# Altium PCB Copy of ToucanEyePCB.PcbDoc (part 3 of 3) (continued)
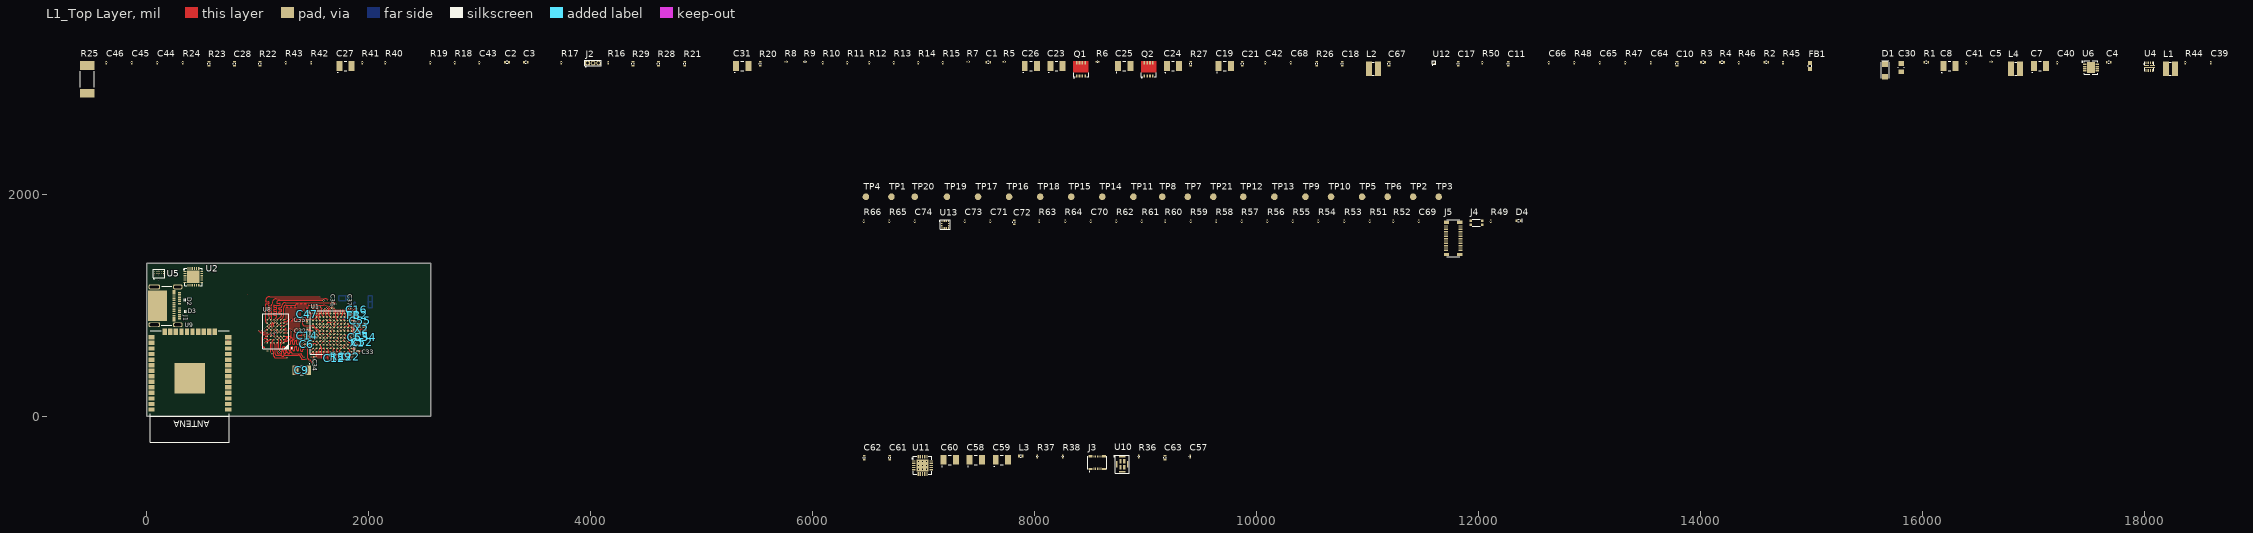
[diagram p0: L1_Top Layer view]
## Nets (pads, with @x,y where several pads share a name; then routed paths per layer and width w, separated by ;. In a path a pad name is that pad's centre, name@x,y a point inside that pad or via, vN(x,y) a via of type N, cw(c..) or ccw(c..) an arc to the next point about the centre after c; other vN are vias at no path point) (continued)
PSRAM_D11: U1.M10 U8.D2 | length 987.2
  L1_Top Layer w8: U8.D2@1206.66,747.96 1206.66,748.66 v3(1221.1,763.1) ; U1.M10@1562.31,924.47 1562.31,946.55 cw(c1563.65,946.55) 1562.7,947.5 1562.8,947.6 v3(1562.8,953.2)
  L3_Signa1 w6: v3@1221.1,763.79 ccw(c1199.59,763.79) 1214.8,779 cw(c1232.18,796.38) 1207.6,796.38 1207.6,842.6 1207.6,850.6 1207.6,861 cw(c1213.2,861) 1213.2,866.6 1227.9,866.6 ccw(c1227.9,872.2) 1233.5,872.2 1233.5,877 ccw(c1227.9,877) 1227.9,882.6 1207.6,882.6 1192.8,882.6 cw(c1192.8,888.2) 1187.2,888.2 1187.2,893 cw(c1192.8,893) 1192.8,898.6 1207.6,898.6 1249.27,898.6 ccw(c1249.27,904.2) 1254.87,904.2 1254.87,909 ccw(c1249.27,909) 1249.27,914.6 1211.7,914.6 cw(c1211.7,918.7) 1207.6,918.7 1207.6,918.8 cw(c1242,918.8) 1242,953.2 ; 1246.8,953.2 1242,953.2 ; v3(1562.8,953.2) 1477.4,953.2 1367.6,953.2 cw(c1367.6,958.8) 1362,958.8 1362,967.63 ccw(c1356.4,967.63) 1356.4,973.23 1351.6,973.23 ccw(c1351.6,967.63) 1346,967.63 1346,953.2 cw(c1340.4,953.2) 1340.4,947.6 1335.6,947.6 cw(c1335.6,953.2) 1330,953.2 1330,967.63 ccw(c1324.4,967.63) 1324.4,973.23 1319.6,973.23 ccw(c1319.6,967.63) 1314,967.63 1314,953.2 cw(c1308.4,953.2) 1308.4,947.6 1303.6,947.6 cw(c1303.6,953.2) 1298,953.2 1298,967.63 ccw(c1292.4,967.63) 1292.4,973.23 1287.6,973.23 ccw(c1287.6,967.63) 1282,967.63 1282,953.2 1282,916.06 cw(c1276.4,916.06) 1276.4,910.46 1271.6,910.46 cw(c1271.6,916.06) 1266,916.06 1266,953.2 1266,967.63 ccw(c1260.4,967.63) 1260.4,973.23 1255.6,973.23 ccw(c1255.6,967.63) 1250,967.63 1250,958.8 cw(c1244.4,958.8) 1244.4,953.2 1242,953.2
  L3_Signa1 w8: v3(1221.1,763.1) v3@1221.1,763.79
PSRAM_D12: U1.K8 U8.E2 | length 983.1
  L1_Top Layer w6: U1.K8@1625.22,861.48 U1.K8@1625.3,861.48
  L1_Top Layer w8: U8.E2@1206.66,777.48 1222.6,793.43 v3(1222.6,794.3) ; v3(1609.7,877) U1.K8@1625.22,861.48
  L3_Signa1 w6: v3@1221.5,791.6 ccw(c1174.91,838.19) 1240.8,838.19 1240.8,858.4 cw(c1283.2,858.4) 1283.2,900.8 1283.9,900.8 1286.3,900.8 ccw(c1286.3,906.4) 1291.9,906.4 1291.9,932.4 cw(c1297.5,932.4) 1297.5,938 1302.3,938 cw(c1302.3,932.4) 1307.9,932.4 1307.9,906.4 ccw(c1313.5,906.4) 1313.5,900.8 1318.3,900.8 ccw(c1318.3,906.4) 1323.9,906.4 1323.9,932.4 cw(c1329.5,932.4) 1329.5,938 1334.3,938 cw(c1334.3,932.4) 1339.9,932.4 1339.9,906.4 ccw(c1345.5,906.4) 1345.5,900.8 1350.3,900.8 ccw(c1350.3,906.4) 1355.9,906.4 1355.9,932.4 cw(c1361.5,932.4) 1361.5,938 1366.3,938 cw(c1366.3,932.4) 1371.9,932.4 1371.9,906.3 ccw(c1377.4,906.3) 1377.4,900.8 1380.6,900.8 ccw(c1380.6,914) 1393.8,914 cw(c1407.4,914) 1407.4,927.6 1434.5,927.6 cw(c1434.5,915.3) 1446.8,915.3 ccw(c1455.2,915.3) 1455.2,906.9 1456.3,906.9 1461.5,906.9 ccw(c1461.5,912.5) 1467.1,912.5 1467.1,919.52 cw(c1472.7,919.52) 1472.7,925.12 1477.5,925.12 cw(c1477.5,919.52) 1483.1,919.52 1483.1,906.9 1483.1,901.68 ccw(c1488.7,901.68) 1488.7,896.08 1493.5,896.08 ccw(c1493.5,901.68) 1499.1,901.68 1499.1,906.9 1499.1,919.52 cw(c1504.7,919.52) 1504.7,925.12 1509.5,925.12 cw(c1509.5,919.52) 1515.1,919.52 1515.1,906.9 1515.1,901.68 ccw(c1520.7,901.68) 1520.7,896.08 1525.5,896.08 ccw(c1525.5,901.68) 1531.1,901.68 1531.1,906.9 1531.1,919.52 cw(c1536.7,919.52) 1536.7,925.12 1541.5,925.12 cw(c1541.5,919.52) 1547.1,919.52 1547.1,906.9 1547.1,901.68 ccw(c1552.7,901.68) 1552.7,896.08 1557.5,896.08 ccw(c1557.5,901.68) 1563.1,901.68 1563.1,906.9 1563.1,919.52 cw(c1568.7,919.52) 1568.7,925.12 1573.5,925.12 cw(c1573.5,919.52) 1579.1,919.52 1579.1,906.9 1579.1,884.38 ccw(c1584.7,884.38) 1584.7,878.78 1589.5,878.78 ccw(c1589.5,884.38) 1595.1,884.38 1595.1,901.3 cw(c1600.7,901.3) 1600.7,906.9 1603.1,906.9 cw(c1603.1,900.1) 1609.9,900.1 1609.9,877 v3(1609.7,877)
PSRAM_D13: U1.H10 U8.F2 | length 969.5
  L1_Top Layer w6: U8.F2@1206.19,807.01 U8.F2@1206.66,807.01
  L1_Top Layer w8: U8.F2@1206.66,807.01 1207.01,807.01 v4(1222.2,822.2) ; U1.H10@1562.31,798.49 1578.22,814.4 v4(1579.8,814.4)
  L4_PWR/Signal2 w6: v4(1222.2,822.2) 1230.8,822.2 1235.33,822.2 ccw(c1235.33,825.67) 1238.8,825.67 cw(c1244.4,825.67) 1244.4,831.27 1249.2,831.27 cw(c1249.2,825.67) 1254.8,825.67 1254.8,822.2 1254.8,815.09 ccw(c1260.4,815.09) 1260.4,809.49 1265.2,809.49 ccw(c1265.2,815.09) 1270.8,815.09 1270.8,816.6 cw(c1276.4,816.6) 1276.4,822.2 1281.2,822.2 cw(c1281.2,816.6) 1286.8,816.6 1286.8,790.74 ccw(c1292.4,790.74) 1292.4,785.14 1297.2,785.14 ccw(c1297.2,790.74) 1302.8,790.74 1302.8,816.6 cw(c1308.4,816.6) 1308.4,822.2 1313.2,822.2 cw(c1313.2,816.6) 1318.8,816.6 1318.8,778.66 ccw(c1324.4,778.66) 1324.4,773.06 1329.2,773.06 ccw(c1329.2,778.66) 1334.8,778.66 1334.8,816.6 cw(c1340.4,816.6) 1340.4,822.2 1345.2,822.2 cw(c1345.2,816.6) 1350.8,816.6 1350.8,778.66 ccw(c1356.4,778.66) 1356.4,773.06 1361.2,773.06 ccw(c1361.2,778.66) 1366.8,778.66 1366.8,816.6 cw(c1372.4,816.6) 1372.4,822.2 1377.2,822.2 cw(c1377.2,816.6) 1382.8,816.6 1382.8,778.66 ccw(c1388.4,778.66) 1388.4,773.06 1393.2,773.06 ccw(c1393.2,778.66) 1398.8,778.66 1398.8,816.6 cw(c1404.4,816.6) 1404.4,822.2 1409.2,822.2 cw(c1409.2,816.6) 1414.8,816.6 1414.8,778.66 ccw(c1420.4,778.66) 1420.4,773.06 1425.2,773.06 ccw(c1425.2,778.66) 1430.8,778.66 1430.8,816.6 cw(c1436.4,816.6) 1436.4,822.2 1441.2,822.2 cw(c1441.2,816.6) 1446.8,816.6 1446.8,812.95 ccw(c1452.4,812.95) 1452.4,807.35 1457.2,807.35 ccw(c1457.2,812.95) 1462.8,812.95 1462.8,816.6 cw(c1468.4,816.6) 1468.4,822.2 1473.2,822.2 cw(c1473.2,816.6) 1478.8,816.6 1478.8,809.76 ccw(c1484.4,809.76) 1484.4,804.16 1489.2,804.16 ccw(c1489.2,809.76) 1494.8,809.76 1494.8,816.6 cw(c1500.4,816.6) 1500.4,822.2 1505.2,822.2 cw(c1505.2,816.6) 1510.8,816.6 1510.8,789.96 ccw(c1516.4,789.96) 1516.4,784.36 1521.2,784.36 ccw(c1521.2,789.96) 1526.8,789.96 1526.8,816.6 cw(c1532.4,816.6) 1532.4,822.2 1542.8,822.2 1565.4,822.2 1571.02,822.2 ; 1571.76,822.2 1572,822.2 cw(c1572,814.4) v4(1579.8,814.4)
PSRAM_D14: U1.H9 U8.F1 | length 981.6
  L1_Top Layer w6: U8.F1@1236.18,807.01 1261.07,831.9 v3(1265.5,831.9)
  L1_Top Layer w8: U1.H9@1593.8,798.49 1610.2,814.89 cw(c1611.2,813.89) v3(1611.2,815.3)
  L3_Signa1 w6: v3(1265.5,831.9) ccw(c1266.3,831.9) 1266.3,831.1 1274.04,831.1 1276.44,831.1 ccw(c1276.44,836.7) 1282.04,836.7 1282.04,875.24 cw(c1287.64,875.24) 1287.64,880.84 1292.44,880.84 cw(c1292.44,875.24) 1298.04,875.24 1298.04,831.1 1298.04,821.75 ccw(c1303.64,821.75) 1303.64,816.15 1308.44,816.15 ccw(c1308.44,821.75) 1314.04,821.75 1314.04,831.1 1314.04,875.24 cw(c1319.64,875.24) 1319.64,880.84 1324.44,880.84 cw(c1324.44,875.24) 1330.04,875.24 1330.04,831.1 1330.04,824.76 ccw(c1335.64,824.76) 1335.64,819.16 1340.44,819.16 ccw(c1340.44,824.76) 1346.04,824.76 1346.04,831.1 1346.04,875.24 cw(c1351.64,875.24) 1351.64,880.84 1356.44,880.84 cw(c1356.44,875.24) 1362.04,875.24 1362.04,831.1 1362.04,824.76 ccw(c1367.64,824.76) 1367.64,819.16 1372.44,819.16 ccw(c1372.44,824.76) 1378.04,824.76 1378.04,831.1 1378.04,833.19 cw(c1383.64,833.19) 1383.64,838.79 1388.44,838.79 cw(c1388.44,833.19) 1394.04,833.19 1394.04,831.1 1394.04,824.76 ccw(c1399.64,824.76) 1399.64,819.16 1404.44,819.16 ccw(c1404.44,824.76) 1410.04,824.76 1410.04,831.1 1410.04,844.54 cw(c1415.64,844.54) 1415.64,850.14 1420.44,850.14 cw(c1420.44,844.54) 1426.04,844.54 1426.04,831.1 1426.04,824.76 ccw(c1431.64,824.76) 1431.64,819.16 1436.44,819.16 ccw(c1436.44,824.76) 1442.04,824.76 1442.04,831.1 1442.04,844.54 cw(c1447.64,844.54) 1447.64,850.14 1452.44,850.14 cw(c1452.44,844.54) 1458.04,844.54 1458.04,831.1 1458.04,824.76 ccw(c1463.64,824.76) 1463.64,819.16 1468.44,819.16 ccw(c1468.44,824.76) 1474.04,824.76 1474.04,831.1 1474.04,844.54 cw(c1479.64,844.54) 1479.64,850.14 1484.44,850.14 cw(c1484.44,844.54) 1490.04,844.54 1490.04,831.1 1490.04,824.76 ccw(c1495.64,824.76) 1495.64,819.16 1500.44,819.16 ccw(c1500.44,824.76) 1506.04,824.76 1506.04,831.1 1506.04,844.54 cw(c1511.64,844.54) 1511.64,850.14 1516.44,850.14 cw(c1516.44,844.54) 1522.04,844.54 1522.04,836.7 ccw(c1527.64,836.7) 1527.64,831.1 1590.6,831.1 1595.4,831.1 cw(c1595.4,815.3) v3(1611.2,815.3)
PSRAM_D15: U1.H8 U8.G1 | length 984.2
  L1_Top Layer w8: U8.G1@1236.18,836.54 cw(c1251.04,836.54) 1251.04,851.4 1257.4,851.4 1264.43,851.4 ccw(c1264.43,853.37) 1266.4,853.37 cw(c1272.7,853.37) 1272.7,859.67 1278.1,859.67 cw(c1278.1,853.37) 1284.4,853.37 1284.4,851.4 1284.4,792.17 ccw(c1290.7,792.17) 1290.7,785.87 1296.1,785.87 ccw(c1296.1,792.17) 1302.4,792.17 1302.4,851.4 1302.4,853.02 cw(c1308.7,853.02) 1308.7,859.32 1314.1,859.32 cw(c1314.1,853.02) 1320.4,853.02 1320.4,851.4 1320.4,769.85 ccw(c1326.7,769.85) 1326.7,763.55 1332.1,763.55 ccw(c1332.1,769.85) 1338.4,769.85 1338.4,851.4 1338.4,853.02 cw(c1344.7,853.02) 1344.7,859.32 1350.1,859.32 cw(c1350.1,853.02) 1356.4,853.02 1356.4,851.4 1356.4,769.85 ccw(c1362.7,769.85) 1362.7,763.55 1368.1,763.55 ccw(c1368.1,769.85) 1374.4,769.85 1374.4,845.1 cw(c1380.7,845.1) 1380.7,851.4 1384,851.4 1386.65,851.4 v1(1388.7,853.45) ; U1.H8@1625.3,798.49 1641.8,814.99 v3(1641.8,815.1)
  L3_Signa1 w6: v1(1388.7,853.45) v1@1388.7,852.1 ; v3(1641.8,815.1) 1640.69,815.1 cw(c1640.69,837.29) 1625,821.6 1590.69,855.91 ccw(c1581.3,846.52) 1581.3,859.8 1578.4,859.8 1576.9,859.8 1566.5,859.8 ccw(c1566.5,854.2) 1560.9,854.2 1560.9,845.7 cw(c1555.3,845.7) 1555.3,840.1 1550.5,840.1 cw(c1550.5,845.7) 1544.9,845.7 1544.9,854.2 ccw(c1539.3,854.2) 1539.3,859.8 1528.9,859.8 1520.9,859.8 1407.78,859.8 ccw(c1407.78,832.32) v1@1388.7,852.1 ; v1@1388.7,852.09 ccw(c1407.78,832.32) 1388.35,851.75 v1@1388.7,852.1
PSRAM_NBL0: U1.A2 U8.A1 | length 991.8
  L1_Top Layer w8: U8.A1@1236.18,659.37 cw(c1248.21,659.37) 1248.21,671.4 1252,671.4 1259.06,671.4 ccw(c1259.06,673.34) 1261,673.34 cw(c1267.3,673.34) 1267.3,679.64 1272.7,679.64 cw(c1272.7,673.34) 1279,673.34 1279,671.4 1279,651.19 ccw(c1285.3,651.19) 1285.3,644.89 1290.7,644.89 ccw(c1290.7,651.19) 1297,651.19 1297,671.4 cw(c1303.3,671.4) 1303.3,677.7 1308.7,677.7 cw(c1308.7,671.4) 1315,671.4 1315,651.19 ccw(c1321.3,651.19) 1321.3,644.89 1326.7,644.89 ccw(c1326.7,651.19) 1333,651.19 1333,671.4 cw(c1339.3,671.4) 1339.3,677.7 1344.7,677.7 cw(c1344.7,671.4) 1351,671.4 1351,651.19 ccw(c1357.3,651.19) 1357.3,644.89 1362.7,644.89 ccw(c1362.7,651.19) 1369,651.19 1369,665.1 cw(c1375.3,665.1) 1375.3,671.4 1376.9,671.4 1379.2,671.4 cw(c1379.2,656.6) 1394,656.6 1394,634.5 ccw(c1410.1,634.5) 1410.1,618.4 1442.9,618.4 cw(c1442.9,608.2) 1453.1,608.2 1453.1,521.9 ccw(c1470.2,521.9) 1470.2,504.8 cw(c1470.2,493.6) 1481.4,493.6 ccw(c1493.6,493.6) 1493.6,481.4 v3(1500,481.4) ; v3@1800.6,504.4 1800.6,545 cw(c1847.29,545) U1.A2@1814.28,578.02 ; U1.A2@1810.6,574.85 U1.A2@1814.28,578.52
  L1_Top Layer w12: U1.A2@1814.28,578.02 U1.A2@1814.28,578.52
  L3_Signa1 w6: v3(1500,481.4) 1777.8,481.4 ccw(c1777.8,504.4) v3(1800.8,504.4) v3@1800.8,499.9
PSRAM_NBL1: U1.C4 U8.B2 | length 981.4
  L1_Top Layer w8: U8.B2@1206.66,688.9 cw(c1167.68,649.92) 1222.8,649.92 v3(1222.8,645.7) ; v3(1735.9,625.3) 1735.9,625.62 U1.C4@1751.28,641.01
  L3_Signa1 w6: v3(1222.8,645.7) 1222.8,586.3 ccw(c1231.2,586.3) 1231.2,577.9 1234.8,577.9 1237.2,577.9 ccw(c1237.2,583.5) 1242.8,583.5 1242.8,644.23 cw(c1248.4,644.23) 1248.4,649.83 1253.2,649.83 cw(c1253.2,644.23) 1258.8,644.23 1258.8,583.5 ccw(c1264.4,583.5) 1264.4,577.9 1269.2,577.9 ccw(c1269.2,583.5) 1274.8,583.5 1274.8,600.23 cw(c1280.4,600.23) 1280.4,605.83 1285.2,605.83 cw(c1285.2,600.23) 1290.8,600.23 1290.8,583.5 ccw(c1296.4,583.5) 1296.4,577.9 1301.2,577.9 ccw(c1301.2,583.5) 1306.8,583.5 1306.8,600.23 cw(c1312.4,600.23) 1312.4,605.83 1317.2,605.83 cw(c1317.2,600.23) 1322.8,600.23 1322.8,583.5 ccw(c1328.4,583.5) 1328.4,577.9 1333.2,577.9 ccw(c1333.2,583.5) 1338.8,583.5 1338.8,600.23 cw(c1344.4,600.23) 1344.4,605.83 1349.2,605.83 cw(c1349.2,600.23) 1354.8,600.23 1354.8,583.5 ccw(c1360.4,583.5) 1360.4,577.9 1365.2,577.9 ccw(c1365.2,583.5) 1370.8,583.5 1370.8,600.23 cw(c1376.4,600.23) 1376.4,605.83 1381.2,605.83 cw(c1381.2,600.23) 1386.8,600.23 1386.8,583.5 ccw(c1392.4,583.5) 1392.4,577.9 1404.9,577.9 1647.08,577.9 ccw(c1647.08,677.9) 1717.79,607.19 v3(1735.9,625.3)
PSRAM_NE1: U1.E7 U8.A2 | length 988.8
  L1_Top Layer w8: U8.A2@1205.8,658.52 cw(c1206.66,658.52) U8.A2@1206.66,659.37 1206.66,611.24 ccw(c1216.4,611.24) 1216.4,601.5 1217.4,601.5 1220.1,601.5 ccw(c1220.1,607.8) 1226.4,607.8 1226.4,619.17 cw(c1232.7,619.17) 1232.7,625.47 1238.1,625.47 cw(c1238.1,619.17) 1244.4,619.17 1244.4,601.5 1244.4,596.2 ccw(c1250.7,596.2) 1250.7,589.9 1256.1,589.9 ccw(c1256.1,596.2) 1262.4,596.2 1262.4,601.5 1262.4,619.17 cw(c1268.7,619.17) 1268.7,625.47 1274.1,625.47 cw(c1274.1,619.17) 1280.4,619.17 1280.4,601.5 1280.4,596.2 ccw(c1286.7,596.2) 1286.7,589.9 1292.1,589.9 ccw(c1292.1,596.2) 1298.4,596.2 1298.4,601.5 1298.4,619.17 cw(c1304.7,619.17) 1304.7,625.47 1310.1,625.47 cw(c1310.1,619.17) 1316.4,619.17 1316.4,601.5 1316.4,596.2 ccw(c1322.7,596.2) 1322.7,589.9 1328.1,589.9 ccw(c1328.1,596.2) 1334.4,596.2 1334.4,601.5 1334.4,619.17 cw(c1340.7,619.17) 1340.7,625.47 1346.1,625.47 cw(c1346.1,619.17) 1352.4,619.17 1352.4,601.5 1352.4,596.2 ccw(c1358.7,596.2) 1358.7,589.9 1364.1,589.9 ccw(c1364.1,596.2) 1370.4,596.2 1370.4,601.5 1370.4,615.57 cw(c1376.7,615.57) 1376.7,621.87 1382.1,621.87 cw(c1382.1,615.57) 1388.4,615.57 1388.4,601.5 1388.4,588.63 ccw(c1394.7,588.63) 1394.7,582.33 1400.1,582.33 ccw(c1400.1,588.63) 1406.4,588.63 1406.4,595.2 cw(c1412.7,595.2) 1412.7,601.5 1423.3,601.5 v3(1424.5,601.5) ; U1.E7@1656.8,704 1657.9,704 v3(1673,719.1)
  L3_Signa1 w6: v3(1424.5,601.5) 1458.47,601.5 ccw(c1458.47,618.23) 1470.3,606.4 cw(c1479.47,597.23) 1479.47,610.2 1677.4,610.2 ccw(c1677.4,621.3) 1688.5,621.3 1688.5,713.2 ccw(c1682.4,713.2) 1682.4,719.3 1673,719.3 v3(1673,719.1) v3@1678.6,719.1
PSRAM_NOE: U1.C7 U8.G5 | length 971
  L1_Top Layer w8: U8.G5@1118.07,836.54 ccw(c1137.65,836.54) 1123.81,822.69 cw(c1101.37,800.26) 1133.1,800.26 v4@1133.1,793 ; v4(1641.4,658.5) ccw(c1646.46,658.5) v4@1642.88,654.93 ; v4@1642.88,654.92 U1.C7@1656.8,641.01 cw(c1655.32,641.01) U1.C7@1656.36,639.96
  L4_PWR/Signal2 w6: v4(1132.8,791.9) cw(c1126.04,791.9) 1130.82,787.12 1123.76,780.06 ccw(c1138.87,764.95) 1117.5,764.95 1117.5,726.1 ccw(c1125.3,726.1) 1125.3,718.3 1275.6,718.3 cw(c1275.6,707.5) 1286.4,707.5 1286.4,692.9 ccw(c1300.3,692.9) 1300.3,679 cw(c1300.3,668.5) 1310.8,668.5 1310.8,633.2 ccw(c1320.4,633.2) 1320.4,623.6 1461.3,623.6 ccw(c1461.3,630.9) 1468.6,630.9 cw(c1478.8,630.9) 1478.8,641.1 1481.2,641.1 ccw(c1481.2,646.7) 1486.8,646.7 1486.8,657.23 cw(c1492.4,657.23) 1492.4,662.83 1497.2,662.83 cw(c1497.2,657.23) 1502.8,657.23 1502.8,641.1 1502.8,625.27 ccw(c1508.4,625.27) 1508.4,619.67 1513.2,619.67 ccw(c1513.2,625.27) 1518.8,625.27 1518.8,641.1 1518.8,641.7 cw(c1524.4,641.7) 1524.4,647.3 1529.2,647.3 cw(c1529.2,641.7) 1534.8,641.7 1534.8,641.1 1534.8,625.27 ccw(c1540.4,625.27) 1540.4,619.67 1545.2,619.67 ccw(c1545.2,625.27) 1550.8,625.27 1550.8,641.1 cw(c1555.07,641.1) 1555.07,645.37 1562.53,645.37 cw(c1562.53,641.1) 1566.8,641.1 1566.8,625.27 ccw(c1572.4,625.27) 1572.4,619.67 1577.2,619.67 ccw(c1577.2,625.27) 1582.8,625.27 1582.8,641.1 cw(c1586.38,641.1) 1586.38,644.68 1595.22,644.68 cw(c1595.22,641.1) 1598.8,641.1 1598.8,625.27 ccw(c1604.4,625.27) 1604.4,619.67 1609.2,619.67 ccw(c1609.2,625.27) 1614.8,625.27 1614.8,638.6 cw(c1617.3,638.6) 1617.3,641.1 ccw(c1617.3,651) 1627.2,651 cw(c1634.7,651) 1634.7,658.5 v4(1641.4,658.5)
PSRAM_NWE: U1.D7 U8.B5 | length 983.6
  L1_Top Layer w6: U8.B5@1118.07,687.17 U8.B5@1118.07,688.9
  L1_Top Layer w8: v3(1065.4,659.9) 1075.48,669.98 cw(c1083.5,661.95) 1083.5,673.3 ccw(c1083.5,698.89) 1101.6,680.8 1103.78,682.98 cw(c1118.07,668.69) 1118,688.9 cw(c1118.07,668.69) U8.B5@1118.07,688.9 ; v3(1641.3,687.6) 1656.4,672.5 U1.D7@1656.8,672.5
  L3_Signa1 w6: v3(1065.4,659.9) 1065.4,638.1 ccw(c1073.8,638.1) 1073.8,629.7 1104.3,629.7 1112.3,629.7 1122.7,629.7 cw(c1122.7,624.1) 1128.3,624.1 1128.3,623.43 ccw(c1133.9,623.43) 1133.9,617.83 1138.7,617.83 ccw(c1138.7,623.43) 1144.3,623.43 1144.3,624.1 cw(c1149.9,624.1) 1149.9,629.7 1154.7,629.7 cw(c1154.7,624.1) 1160.3,624.1 1160.3,623.43 ccw(c1165.9,623.43) 1165.9,617.83 1170.7,617.83 ccw(c1170.7,623.43) 1176.3,623.43 1176.3,624.4 cw(c1181.6,624.4) 1181.6,629.7 1184.3,629.7 ccw(c1184.3,641) 1195.6,641 1195.6,648.6 cw(c1218.3,648.6) 1218.3,671.3 1259.7,671.3 cw(c1259.7,650.6) 1280.4,650.6 1280.4,636.7 ccw(c1291.7,636.7) 1291.7,625.4 1294.1,625.4 ccw(c1294.1,631) 1299.7,631 1299.7,641.86 cw(c1305.3,641.86) 1305.3,647.46 1310.1,647.46 cw(c1310.1,641.86) 1315.7,641.86 1315.7,631 ccw(c1321.3,631) 1321.3,625.4 1326.1,625.4 ccw(c1326.1,631) 1331.7,631 1331.7,641.8 cw(c1337.3,641.8) 1337.3,647.4 1342.1,647.4 cw(c1342.1,641.8) 1347.7,641.8 1347.7,631 ccw(c1353.3,631) 1353.3,625.4 1358.1,625.4 ccw(c1358.1,631) 1363.7,631 1363.7,641.8 cw(c1369.3,641.8) 1369.3,647.4 1374.1,647.4 cw(c1374.1,641.8) 1379.7,641.8 1379.7,631 ccw(c1385.3,631) 1385.3,625.4 1390.1,625.4 ccw(c1390.1,631) 1395.7,631 1395.7,641.8 cw(c1401.3,641.8) 1401.3,647.4 1406.1,647.4 cw(c1406.1,641.8) 1411.7,641.8 1411.7,631 ccw(c1417.3,631) 1417.3,625.4 1422.1,625.4 ccw(c1422.1,631) 1427.7,631 1427.7,641.8 cw(c1433.3,641.8) 1433.3,647.4 1438.1,647.4 cw(c1438.1,641.8) 1443.7,641.8 1443.7,631 ccw(c1449.3,631) 1449.3,625.4 1449.4,625.4 1450.6,625.4 ccw(c1450.6,635) 1460.2,635 cw(c1474.8,635) 1474.8,649.6 1517.4,649.6 ccw(c1517.4,662.1) 1529.9,662.1 cw(c1540.4,662.1) 1540.4,672.6 1620.4,672.6 ccw(c1620.4,679.6) 1627.4,679.6 cw(c1635.4,679.6) 1635.4,687.6 v3(1641.3,687.6) v3@1641.3,687.9
PSRAM_ZZ: U1.C3 U8.A6 | length 25.4
  L1_Top Layer w8: v4(1088.4,586.1) v4@1088.54,586.1 ; U8.A6@1088.4,659.37 U8.A6@1088.54,659.37 ; U1.C3@1782.78,641.62 U1.C3@1782.78,641.01 1782.78,639.32 v4(1797.9,624.2)
  L4_PWR/Signal2 w6: v4(1797.9,624.2) cw(c1797.9,623.3) v4@1798.8,623.3
RESET_USB_C: R19.2 U1.E6 U2.6 | length 22.1
  L1_Top Layer w6: U1.E6@1688.29,704 1703.49,719.2 v1(1704.1,719.2)
SPEAKER+: J3.8 J3.9 J3.10 U11.13 U11.14 U11.15
SPEAKER-: J3.6 J3.7 U11.11 U11.12
SPI_CLK_USB: R9.1 U1.L2 U2.16 | length 104.4
  L1_Top Layer w4.72: U1.L2@1814.28,892.98 cw(c1853.2,854.05) 1853.2,909.1 1914.4,909.1
SPI_CS_USB: R8.1 U1.M5 U2.12 | length 33.3
  L1_Top Layer w6: U1.M5@1719.79,924.47 1719.79,957.81
SPI_MISO_USB: R10.1 U1.A5 U2.14 | length 57.7
  L1_Top Layer w6: 1719.79,520.3 U1.A5@1719.79,578.02
SPI_MOSI_USB: R11.1 U1.B5 U2.11 | length 94.2
  L1_Top Layer w6: 1709.4,520.4 1709.4,554.73 ccw(c1702.23,554.73) 1707.3,559.8 cw(c1712.85,565.35) 1705,565.35 1705,573.81 cw(c1755.49,573.81) U1.B5@1719.79,609.51
STAT_BATMAN: R6.1 U1.G4 U3.7 | length 22.4
  L1_Top Layer w3: v1@1735.6,782.68 v1(1735.6,782.9)
  L1_Top Layer w6: v1@1735.6,782.68 U1.G4@1751.28,766.99
TERM_BAT: J2.2 R23.1 R24.1
TX_EN_USB_C: R18.1 U1.F9 U2.15 | length 23.4
  L1_Top Layer w8: v1(1577.6,752.2) 1593.8,736 U1.F9@1593.8,735.5
VBUS: C23.1 C39.2 FB1.1 J1.B4 J1.B9 Q1.5 Q1.6 Q1.7 Q1.8 U2.18 U7.5
VCC_2V8: C7.1 C9.1 C12.1 C13.1 C14.1 C15.1 C16.1 C20.1 C22.2 C32.2 C33.2 C34.2 C35.2 C36.2 C37.2 C38.2 C40.2 C49.2 C50.2 C51.2 C56.2 C57.2 C63.2 C70.2 C71.2 C72.1 C73.1 C74.2 FB2.1 J3.1 J3.2 J5.12 J5.14 J5.20 J5.26 L1.2 R1.2 R6.2 R8.2 R9.2 R10.2 R11.2 R12.2 R13.2 R14.2 R15.2 R30.2 R31.2 R36.2 R40.2 R41.2 R42.2 R43.2 R49.2 R50.2 TP12.1 U1.A6 U1.A11 U1.B1 U1.B2 U1.E12 U1.G1 U1.G12 U1.K2 U1.L11 U1.M2 U1.M6 U4.3 U8.D6 U8.E1 U9.2 U10.1 U13.2 U13.9 U13.10 | length 1287
  L1_Top Layer w8: v1(1420.9,900.2) 1420.9,898.9 C35.2@1443.57,876.23 ; v1@1421.07,876.23 C35.2@1443.57,876.23 ; C35.2@1448.5,876.23 C35.2@1443.57,876.23 ; 1459.63,776.13 ccw(c1459.63,789.3) 1472.8,789.3 v1(1472.8,793.6) ; U1.B2@1814.28,609.51 1830.4,593.39 1830.4,555.9 1816.77,542.27 C22.2@1816.77,532.8
  L1_Top Layer w9.5: v1(1420.9,876.4) v1@1421.07,876.23 ; C35.2@1452.17,877.3 1515.14,877.3 ccw(c1515.14,892.98) U1.L11@1530.81,892.98 ; U1.G12@1499.32,766.99 U1.G12@1499.32,769.58 ; U1.A6@1688.29,578.02 cw(c1676.86,566.59) 1693.03,566.59 C12.1@1693.03,532.8 ; U1.K2@1814.28,861.48 1829.8,877 v1(1829.8,877.8) ; U1.M2@1814.28,924.47 1814.28,960.18 cw(c1829.29,960.18) C37.2@1818.67,970.8 ; U1.B1@1845.77,609.51 1847.28,608 v1(1878.2,608) ; U1.G1@1845.77,766.99 1872.26,766.99 v1(1873.95,765.3)
  L1_Top Layer w10: v1(1010.9,767.5) 1030.44,747.96 1056.66,747.96 ; v1(1039.9,767.5) 1039.9,764.71 1056.66,747.96 ; U8.D6@1088.54,747.96 1056.66,747.96 ; U8.E1@1236.18,777.48 U8.E1@1238.68,777.48 ; v1(1257.8,795.3) 1256.5,795.3 U8.E1@1238.68,777.48 ; v1(1271.8,777.3) 1271.62,777.48 U8.E1@1238.68,777.48 ; v1@1426.97,711.07 C14.1@1449.1,711.07 v1(1449.1,687.3) ; v1(1448.9,793.3) 1449.1,793.3 C32.2@1449.1,776.13 ; 1665.8,494 cw(c1701.05,494) 1676.12,518.92 1686.67,529.47 cw(c1692.6,523.54) C12.1@1692.6,531.93
  L1_Top Layer w12: v1(1426.9,711) v1@1426.97,711.07 ; C14.1@1449.1,711.07 1482.24,711.07 cw(c1482.24,686.92) U1.E12@1499.32,704 ; C32.2@1449.1,776.13 1459.63,776.13 cw(c1459.63,760.33) 1470.8,771.5 ccw(c1481.68,782.38) 1481.68,766.99 U1.G12@1499.32,766.99 ; C34.2@1526.63,532.8 1526.63,573.83 U1.A11@1530.81,578.02 ; U1.G1@1845.77,766.99 1868.16,744.6 v1(1873.9,744.6) ; v1(1865.2,971.3) 1865.2,947.77 C16.1@1891.1,947.77 1891.1,925.16 FB2.1@1896.6,925.16
  L6_Bottom Layer w0: C50.2@1190.73,759.3 cw(c1190.73,749.72) C50.2@1197.5,756.49
  L6_Bottom Layer w12: C49.2@1103.1,737.63 1141.16,737.63 cw(c1141.16,734.5) C56.2@1144.28,734.5 cw(c1166.28,734.5) 1166.28,756.49 ; C13.1@1790.3,929.79 1805.43,914.66 C20.1@1805.43,887.2 1808.24,887.2 cw(c1808.24,857.84) 1829,878.6 v1(1829.8,877.8) ; C38.2@1850.3,754.47 1863.13,754.47 ; v1(1865.2,971.3) 1865.2,1014.01 C15.1@1871.2,1020.01 ; C15.1@1865.2,1020.01 C15.1@1871.2,1020.01 ; v1(1873.9,744.6) 1873,744.6 1863.13,754.47 ; v1(1873.95,765.3) 1863.13,754.47 ; v1@1878.13,607.93 v1(1878.2,608) ; C15.1@1881.19,1030 C15.1@1871.2,1020.01 ; C15.1@1885.3,1020.01 C15.1@1871.2,1020.01
VCC_+1.5V: C68.2 C69.2 J5.6 J5.8 TP21.1 U12.B1
VCC_+3V3: C6.1 C30.2 C31.1 C64.2 L4.2 R45.2 U1.C11 U2.22 | length 174.5
  L1_Top Layer w9: v1@1413.2,673.4 v1(1413.8,673.4) 1433.45,673.4 ; v1(1413.8,692.2) 1414.65,692.2 1433.45,673.4 ; U1.C11@1530.81,641.01 1514.92,656.9 1480.3,656.9 1468.6,645.2 C6.1@1451.93,645.2 1451.93,654.93 1433.45,673.4
  L1_Top Layer w9.5: U1.C11@1530.81,640.39 U1.C11@1530.81,641.01
VCC_IN: C17.1 Q2.5 Q2.6 Q2.7 Q2.8 R26.2 TP5.1 U3.19
VCC_TERM: C27.1 R22.1 U5.D1
VDD_CAMCORE: R50.1 U12.A2
VSYS: C4.2 C5.2 C8.1 C19.1 C21.2 C25.1 C41.1 C42.2 C46.2 C60.1 C67.2 L2.2 L3.1 R3.2 TP2.1 U3.13 U3.14 U4.6 U4.7 U4.8 U5.D2 U5.E1 U6.8 U11.1 U12.B2
pads on no net: J1.A2 J1.A3 J1.A8 J1.A10 J1.A11 J1.B2 J1.B3 J1.B8 J1.B10 J1.B11 J3.3 J3.12 J3.13 J3.14 J5.28 U1.D8 U1.F1 U1.F5 U1.H11 U1.H12 U1.J9 U1.J11 U1.J12 U1.K6 U1.K11 U1.K12 U2.20 U6.2 U9.4 U9.5 U9.6 U9.7 U9.8 U9.9 U9.10 U9.11 U9.17 U9.18 U9.19 U9.20 U9.21 U9.22 U9.24 U9.25 U9.26 U9.29 U9.30 U9.31 U9.32 U9.33 U9.36 U9.37 U13.11
copper on no net: | length 46.9
  L1_Top Layer w6: 1681.4,498.3 1682.2,497.5
  L1_Top Layer w10: 1688.5,924.68 1688.5,970.4
  other v7: 109.1,1227.99 65.79,1271.3 109.1,1271.3 152.41,1271.3 109.1,1314.61

## Polygon pours and split planes (outlines as drawn)
GND on L2_GND "GND" (solid, pour order 4): 0,0 2556.7,0 2559.1,2.4 2559.1,1380.4 -2.4,1380.4 -2.4,2.4
GND on L5_GND "GND" (solid, pour order 6): 0,0 2559.06,0 2559.06,1377.95 0,1377.95
VCC_2V8 on L4_PWR/Signal2 "VCC_CPU" (solid, pour order 24): 1431.5,989.6
VCC_2V8 on L6_Bottom Layer "VCC_2V8" (solid, pour order 42): 1081.2,762.5
VCC_2V8 on L6_Bottom Layer "VCC_2V8" (solid, pour order 40): 1221.7,766.4
VCC_2V8 on L6_Bottom Layer "VCC_2V8" (solid, pour order 38): 1037.7,765.7
VCC_2V8 on L6_Bottom Layer "VCC_2V8" (solid, pour order 36): 1054.6,764.5

## Silkscreen, mask and mechanical layers (free items; w line width, h text height)
Mechanical 13:
  lines w4.72: 0,0 0,5

## Text inside footprints (layer, text, board x,y; h text height)
U9: Top Overlay "ANTENA" at 568.1,-40.87 h60 r180